# Altium PCB WhiteRHINO_0v1.PcbDoc (part 2 of 10) (continued)
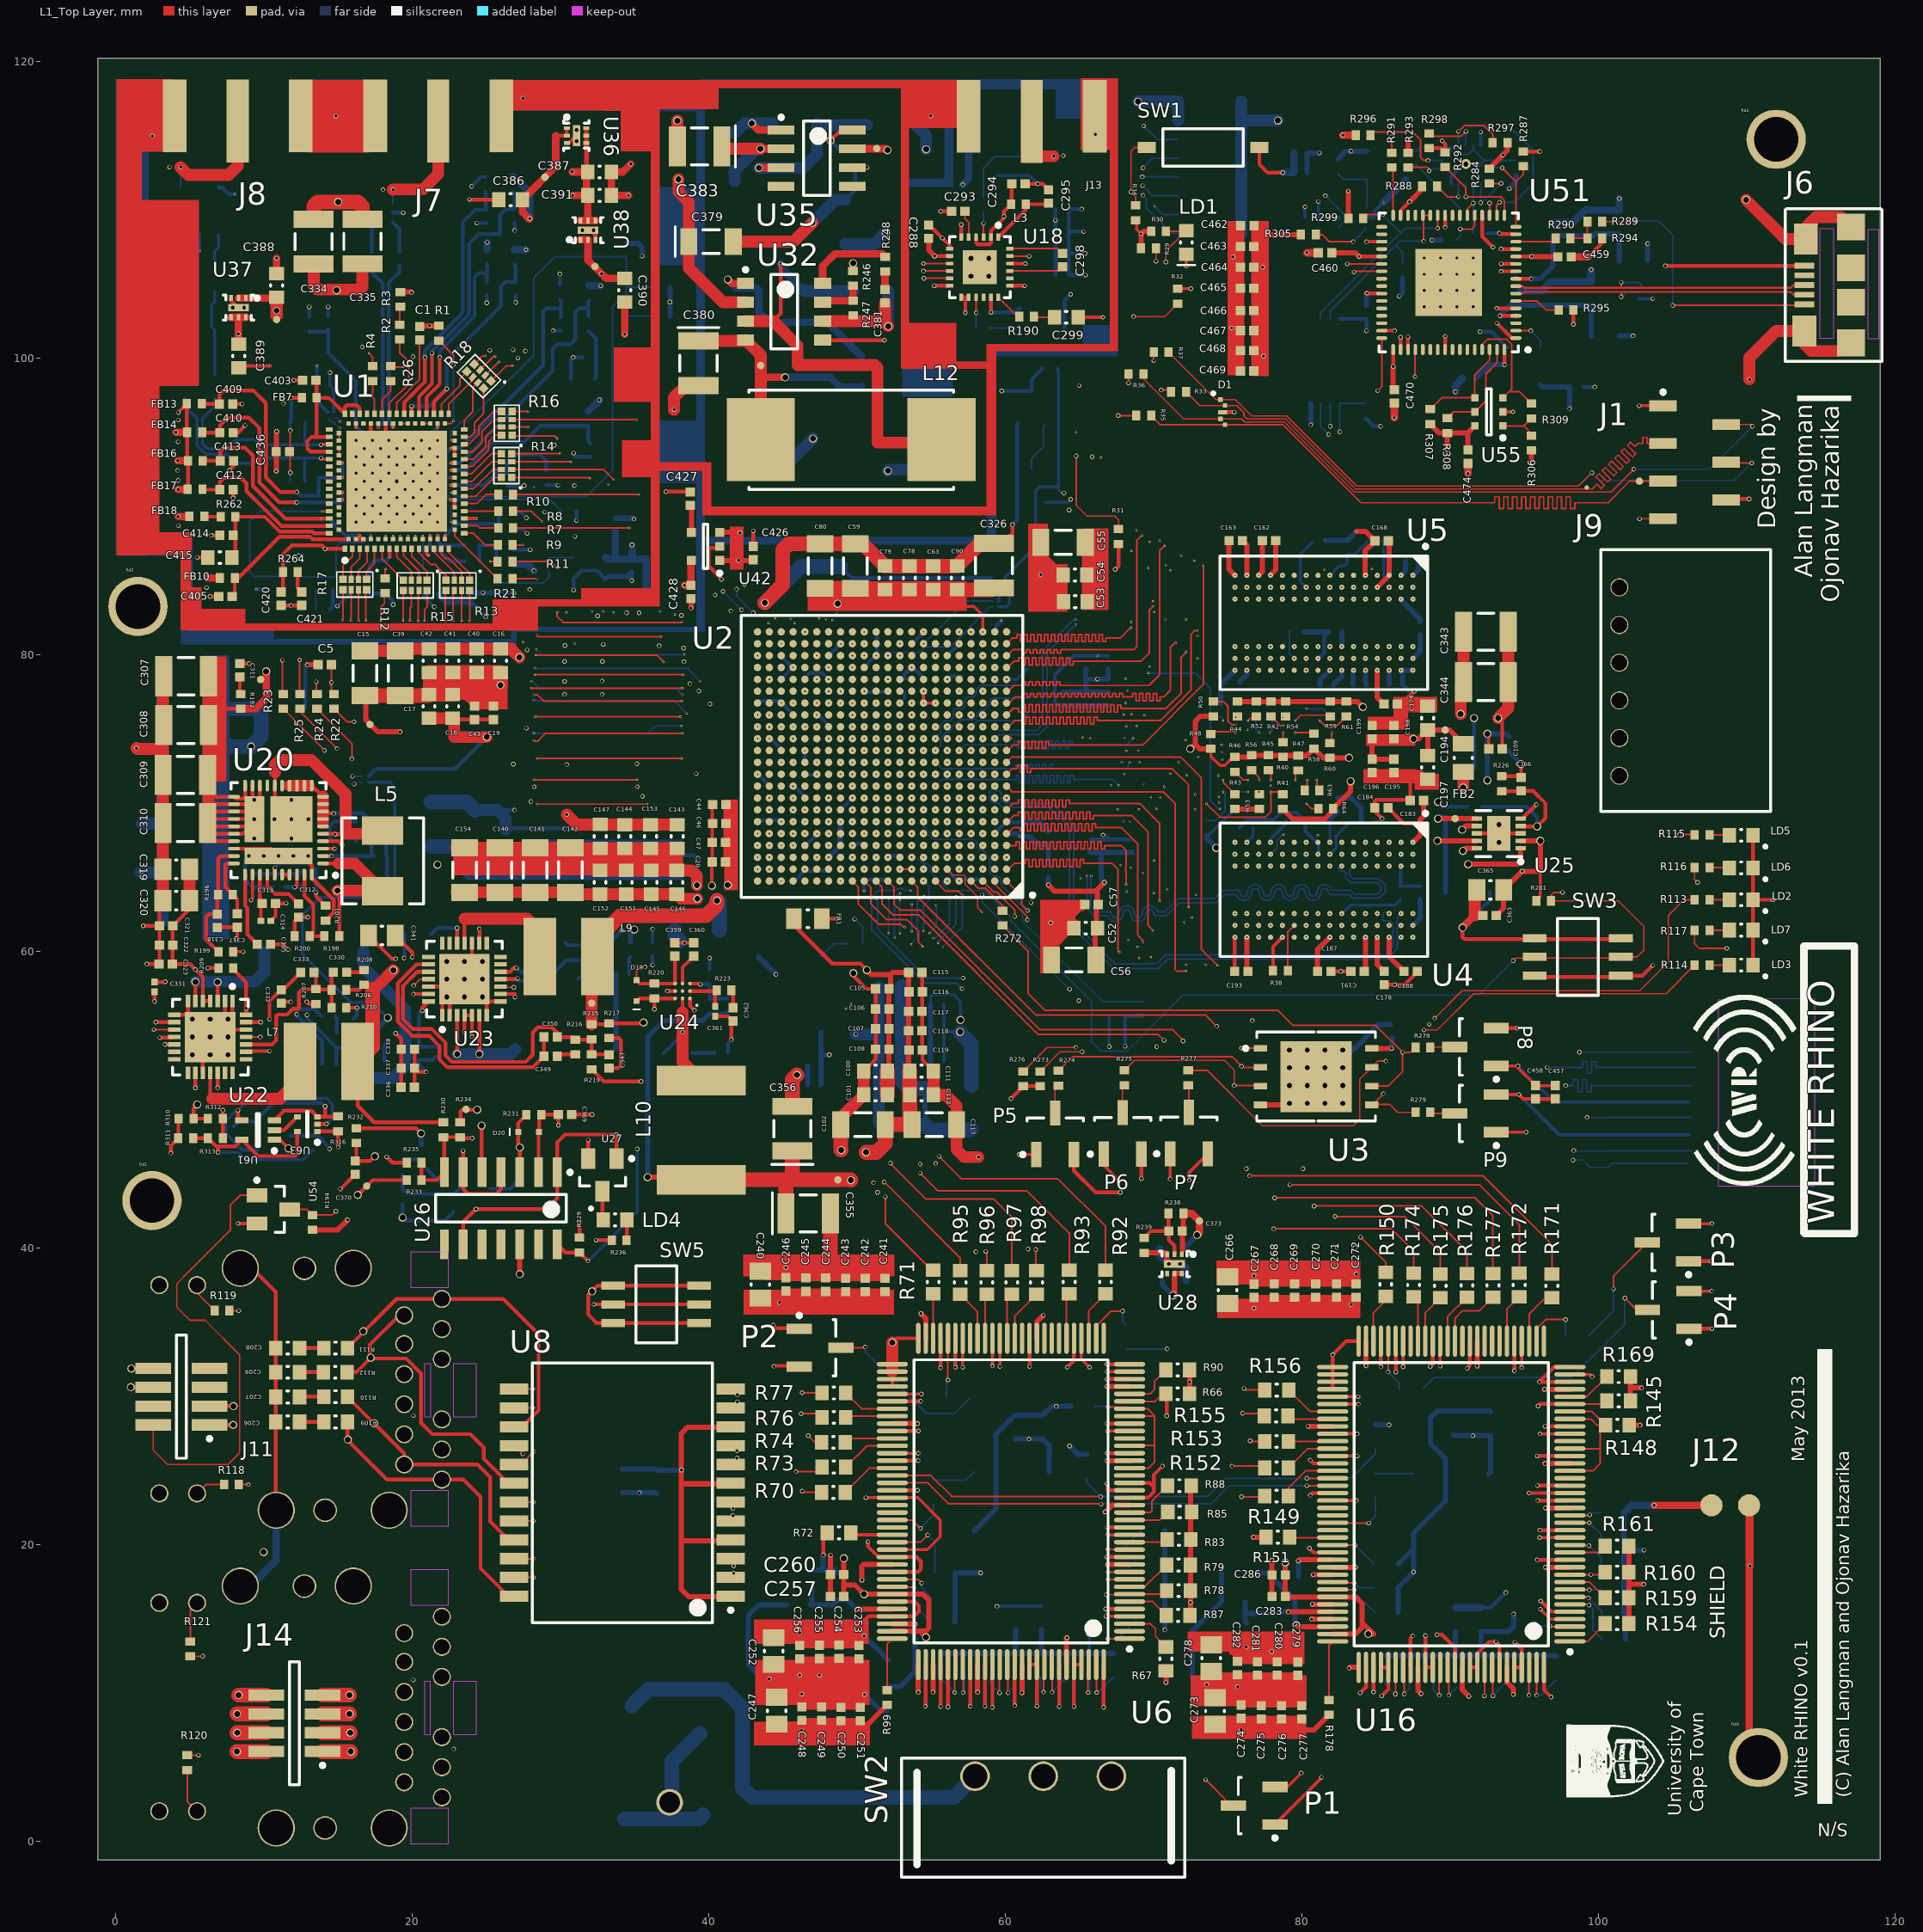
[diagram p0: L1_Top Layer view]
## Components (designator, comment, footprint, x,y, rotation, side; value= is the part's Value field where it differs from the comment) (continued)
U42 "LDO_TI_LP3985" LDO_TI_LP3985_SOT23-5 39.8,87.275 r180 top locked
U43 "LevelTranslator_TI_SN74AVC1T45" "LevelTranslator_TI_SN74AVC1T45 _SC70-6" 24.825,84.15 r0 bottom locked
U44 "TCXO_KYOCERA_KT2520Y40000ECV28TBA" TCXO_KYOCERA_KT2520Y40000ECV28TBA_PCB-6PIN 31.975,85.8 r180 bottom
U46 "RF_Trans_50Ohm_Minicircuits_TC1-1-13M" RF_Trans_50Ohm_Minicircuits_TC1-1-13M_AT224 5.675,109.9 r90 bottom
U48 "FXO-HC736R-33.3333" Oscillator_Fox_FXO-HC736R-33.3333_SMD 45.475,57.075 r0 bottom locked
U49 "Buffer_74LCX126" Buffer_Fairchild_74LCX126_DQFN-14 91.075,113.05 r180 bottom locked
U50 "FXO-HC536R-12" Oscillator_Fox_767-12-69_HC5 94.975,99.425 r90 bottom locked
U51 "COM-UART-FT4232H-QFN64" FTDI_FT4232HQ_QFN64_2_N 89.925,105.075 r180 top locked
U52 "Bus_Repeat_TI_PCA9515APWR" Bus_Repeat_TI_PCA9515APWR_8-TSSOP 81.6,99.775 r270 bottom locked
U53 "Buffer_NCWZ07" Buffer_Fairchild_NCWZ07_SC70-6 83.4,109.425 r180 bottom locked
U54 "NMOS_Fairchild_FDV301" NMOS_Fairchild_FDV301_SOT23-3 10.65,42.575 r0 top
U55 "EEPROM_Microchip_93LC56BT_IOT" EEPROM_Microchip_93LC56BT_IOT_SOT23-6 92.625,96.35 r180 top locked
U56 "Temp_Sensor_TI_TMP103" Temp_Sensor_TI_TMP103_XBGA-4 14.525,96.125 r180 bottom
U57 "Temp_Sensor_TI_TMP103" Temp_Sensor_TI_TMP103_XBGA-4 59.375,83.4 r90 bottom
U58 "Temp_Sensor_TI_TMP103" Temp_Sensor_TI_TMP103_XBGA-4 16.875,71.575 r90 bottom
U61 "AND_Gate_TI_SN74AUP1T08DCKR" AND_Gate_TI_SN74AUP1T08DCKR_SC70-5 9.625,47.925 r180 top locked
U62 "NMOS_Fairchild_FDV301" NMOS_Fairchild_FDV301_SOT23-3 10.7,47.55 r0 bottom locked
U63 "OR_Gate_TI_SN74AHC1G32DRLR" OR_Gate_TI_SN74AHC1G32DRLR_DRL-5 12.95,48.325 r180 top locked

## Footprints (in the part's own frame and the unit in brackets; to place one, negate y for a bottom-side part, rotate by r counter-clockwise, add the part's x,y. Pads: shape width x height; smd on the part's side, far side on the other; paste and mask are expansions set on the pad)
AND_Gate_TI_SN74AUP1T08DCKR_SC70-5 [mm]
  rect 0.9x0.4 smd: 1(-1.1,0.65) 2(-1.1,0) 3(-1.1,-0.65) 4(1.1,-0.65) 5(1.1,0.65)
  silkscreen extent -1.23,-1.1 0.1,1.52, body extent -0.7,-1.07 0.7,1.08, height 1.1
Balun_AnarenB0322J5050AHF_6-PIN_SMD [mm]
  rect 0.41x0.33 smd: 1(-0.495,0.65) 2(-0.495,0) 3(-0.495,-0.65) 4(0.495,-0.65) 5(0.495,0) 6(0.495,0.65)
  silkscreen extent -0.05,0.84 0.05,0.94, body extent -0.69,-1.07 0.69,1.07, height 0.78
BarrelJack_PJ-028-SMT [mm]
  rect 2.6x2.2 smd: 1(2.3,3.25) 2(-2.3,3.25) 3(-3.5,-3.25) 3(3.5,-3.25)
  round 1.8 hole 1.4: 3(-0.4,-2.25)
  silkscreen extent -0.28,-5.5 4.06,5.53, body extent -3,-5.5 3,5.5, height 4.3
Buffer_Fairchild_74LCX126_DQFN-14 [mm]
  rect 0.9x0.24 smd: 1(-1.55,0.25) 2(-1.55,-0.25) 8(1.55,-0.25) 9(1.55,0.25)
  rect 0.24x0.9 smd: 3(-1,-1.3) 4(-0.5,-1.3) 5(0,-1.3) 6(0.5,-1.3) 7(1,-1.3) 10(1,1.3) 11(0.5,1.3) 12(0,1.3) 13(-0.5,1.3) 14(-1,1.3)
  rect 1.4x1 smd: 7(0,0)
  silkscreen extent -2.68,-1.25 1.52,1.25, body extent -1.5,-1.25 1.5,1.25, height 0.8
Buffer_Fairchild_NC7SZ125_SOT95P280X145-5N [mm] "SOT23, 5-Leads, Body 3.0x3.0mm (max), Pitch 0.95mm, IPC Medium Density"
  rect 1x0.7 smd: 1(-1.3,0.95) 2(-1.3,0) 3(-1.3,-0.95) 4(1.3,-0.95) 5(1.3,0.95)
  silkscreen extent -1.43,-1.5 0.25,1.97, body extent -0.85,-1.5 0.85,1.5, height 1.45
Buffer_Fairchild_NCWZ07_SC70-6 [mm] "NC7WZ07, dual non-inverting buffer, SC-70-6 (SOT-363)"
  rect 0.5x0.4 smd: 1(-0.95,0.65) 2(-0.95,0) 3(-0.95,-0.65) 4(0.95,-0.65) 5(0.95,0) 6(0.95,0.65)
  silkscreen extent -1.08,-1.1 0.1,1.52, body extent -0.67,-1.1 0.67,1.1, height 1
Bus_Repeat_TI_PCA9515APWR_8-TSSOP [mm]
  rect 1.3x0.35 smd: 1(-2.85,0.975) 2(-2.85,0.325) 3(-2.85,-0.325) 4(-2.85,-0.975) 5(2.85,-0.975) 6(2.85,-0.325) 7(2.85,0.325) 8(2.85,0.975)
  silkscreen extent -2.97,-1.55 1.6,1.82, body extent -2.25,-1.55 2.25,1.55, height 1.2
CAPC0201(0603)33_N [mm] "Chip Capacitor, Body 0.6x0.3mm, Height 0.33mm, IPC Medium Density"
  rect 0.46x0.42 smd: 1(-0.33,0) 2(0.33,0)
  body extent -0.31,-0.16 0.32,0.17, height 0.33
CAPC0402(1005)60_N [mm] "Chip Capacitor, Body 1.0x0.5mm, Height 0.6mm, IPC Medium Density"
  rect 0.62x0.62 smd: 1(-0.45,0) 2(0.45,0)
  body extent -0.55,-0.3 0.55,0.3, height 0.6
CAPC0603(1608)100_N [mm] "Chip Capacitor, Body 1.6x0.8mm, Height 1.0mm, IPC Medium Density"
  rect 0.9x1 smd: 1(-0.8,0) 2(0.8,0)
  silkscreen extent -0.05,-0.4 0.05,0.4, body extent -0.87,-0.48 0.88,0.47, height 1
CAPC0805(2012)75_N [mm] "Chip Capacitor, Body 2.0x1.2mm, Height 0.75mm, IPC Medium Density"
  rect 1.15x1.45 smd: 1(-0.9,0) 2(0.9,0)
  silkscreen extent -0.05,-0.62 0.05,0.62, body extent -1.1,-0.72 1.1,0.73, height 0.75
CAPC1206(3216)100_N [mm] "Chip Capacitor, Body 3.2x1.6mm, Height 1mm, IPC Medium Density"
  rect 1.15x1.8 smd: 1(-1.5,0) 2(1.5,0)
  silkscreen extent -0.55,-0.8 0.55,0.8, body extent -1.7,-0.9 1.7,0.9, height 1
CAPC1210(3225)100_N [mm] "Chip Capacitor, Body 3.2x2.5mm, Height 1mm, IPC Medium Density"
  rect 1.15x2.7 smd: 1(-1.5,0) 2(1.5,0)
  silkscreen extent -0.55,-1.25 0.55,1.25, body extent -1.7,-1.35 1.7,1.35, height 1
Connector_SMA_Amphenol_132255_Edgemount [mm]
  rect 1.5x5.6 smd: C(0,-1.651)
  rect 1.6x4.9 smd far side: G(-4.259,-1.301) G(4.25,-1.301)
  rect 1.6x4.9 smd: G(-4.25,-1.301) G(4.25,-1.301)
  body extent -5.99,-4.62 6.22,2.7, height 3.96
ConnectorGPIO_Sullins_PPTC061LGBN-RC_6-pos [mm]
  round 1.22 hole 1.07: 1(-5.334,4.222) 2(-2.794,4.222) 3(-0.254,4.222) 4(2.286,4.222) 5(4.826,4.222) 6(7.366,4.222)
  silkscreen extent -7.75,-5.97 9.91,5.46, body extent -7.24,-5.72 9.4,5.08, height 6.09
DDR3_MICRON_MT41J128M16HA-15ED_FBGA96 [mm] "BGA, 144-Leads, Body 14.0x9.0mm,  Pitch 0.80mm"
  round 0.35 smd: A1(-3.2,6) A2(-2.4,6) A3(-1.6,6) A7(1.6,6) A8(2.4,6) A9(3.2,6) B1(-3.2,5.2) B2(-2.4,5.2) B3(-1.6,5.2) B7(1.6,5.2) B8(2.4,5.2) B9(3.2,5.2) C1(-3.2,4.4) C2(-2.4,4.4) C3(-1.6,4.4) C7(1.6,4.4) C8(2.4,4.4) C9(3.2,4.4) D1(-3.2,3.6) D2(-2.4,3.6) D3(-1.6,3.6) D7(1.6,3.6) D8(2.4,3.6) D9(3.2,3.6) E1(-3.2,2.8) E2(-2.4,2.8) E3(-1.6,2.8) E7(1.6,2.8) E8(2.4,2.8) E9(3.2,2.8) F1(-3.2,2) F2(-2.4,2) F3(-1.6,2) F7(1.6,2) F8(2.4,2) F9(3.2,2) G1(-3.2,1.2) G2(-2.4,1.2) G3(-1.6,1.2) G7(1.6,1.2) G8(2.4,1.2) G9(3.2,1.2) H1(-3.2,0.4) H2(-2.4,0.4) H3(-1.6,0.4) H7(1.6,0.4) H8(2.4,0.4) H9(3.2,0.4) J1(-3.2,-0.4) J2(-2.4,-0.4) J3(-1.6,-0.4) J7(1.6,-0.4) J8(2.4,-0.4) J9(3.2,-0.4) K1(-3.2,-1.2) K2(-2.4,-1.2) K3(-1.6,-1.2) K7(1.6,-1.2) K8(2.4,-1.2) K9(3.2,-1.2) L1(-3.2,-2) L2(-2.4,-2) L3(-1.6,-2) L7(1.6,-2) L8(2.4,-2) L9(3.2,-2) M1(-3.2,-2.8) M2(-2.4,-2.8) M3(-1.6,-2.8) M7(1.6,-2.8) M8(2.4,-2.8) M9(3.2,-2.8) N1(-3.2,-3.6) N2(-2.4,-3.6) N3(-1.6,-3.6) N7(1.6,-3.6) N8(2.4,-3.6) N9(3.2,-3.6) P1(-3.2,-4.4) P2(-2.4,-4.4) P3(-1.6,-4.4) P7(1.6,-4.4) P8(2.4,-4.4) P9(3.2,-4.4) R1(-3.2,-5.2) R2(-2.4,-5.2) R3(-1.6,-5.2) R7(1.6,-5.2) R8(2.4,-5.2) R9(3.2,-5.2) T1(-3.2,-6) T2(-2.4,-6) T3(-1.6,-6) T7(1.6,-6) T8(2.4,-6) T9(3.2,-6)
  silkscreen extent -5.27,-7 4.5,7, body extent -4.5,-7.01 4.5,6.99, height 0.9
Diode_DB2J31700L_2-PIN [mm]
  rect 1.3x0.6 smd: 1(-1,0)
  rect 1.3x0.45 smd: 2(1,0)
  silkscreen extent -2.03,-0.7 0.2,0.7, body extent -0.9,-0.67 0.9,0.67, height 0.8
DIP_Switch_SPST_CopalElectronics_CHS-01TB [mm]
  rect 1.2x0.75 smd: 1(-3.8,0) 2(3.8,0)
  silkscreen extent -2.7,-1.25 2.7,1.25, body extent -2.7,-1.25 2.7,1.25, height 2.5
EEPROM_Microchip_93LC56BT_IOT_SOT23-6 [mm] "93LC56BT-I/OT, EEPROM 2Kbit 3MHz, SOT23-6"
  rect 0.5x0.5 smd: 1(-0.95,0.95) 2(-0.95,0) 3(-0.95,-0.95) 4(0.95,-0.95) 5(0.95,0) 6(0.95,0.95)
  silkscreen extent -1.08,-1.55 0.15,1.87, body extent -0.87,-1.55 0.87,1.55, height 1.45
EthernetPHY_TI_DP83865(PQFP)_VLA128A_N [mm] "Shrink QFP, 128-Leads, Body 20x14 mm, Pitch 0.5mm, IPC Medium Density"
  oval 2.1x0.3 smd: 1(-8,9.25) 2(-8,8.75) 3(-8,8.25) 4(-8,7.75) 5(-8,7.25) 6(-8,6.75) 7(-8,6.25) 8(-8,5.75) 9(-8,5.25) 10(-8,4.75) 11(-8,4.25) 12(-8,3.75) 13(-8,3.25) 14(-8,2.75) 15(-8,2.25) 16(-8,1.75) 17(-8,1.25) 18(-8,0.75) 19(-8,0.25) 20(-8,-0.25) 21(-8,-0.75) 22(-8,-1.25) 23(-8,-1.75) 24(-8,-2.25) 25(-8,-2.75) 26(-8,-3.25) 27(-8,-3.75) 28(-8,-4.25) 29(-8,-4.75) 30(-8,-5.25) 31(-8,-5.75) 32(-8,-6.25) 33(-8,-6.75) 34(-8,-7.25) 35(-8,-7.75) 36(-8,-8.25) 37(-8,-8.75) 38(-8,-9.25) 65(8,-9.25) 66(8,-8.75) 67(8,-8.25) 68(8,-7.75) 69(8,-7.25) 70(8,-6.75) 71(8,-6.25) 72(8,-5.75) 73(8,-5.25) 74(8,-4.75) 75(8,-4.25) 76(8,-3.75) 77(8,-3.25) 78(8,-2.75) 79(8,-2.25) 80(8,-1.75) 81(8,-1.25) 82(8,-0.75) 83(8,-0.25) 84(8,0.25) 85(8,0.75) 86(8,1.25) 87(8,1.75) 88(8,2.25) 89(8,2.75) 90(8,3.25) 91(8,3.75) 92(8,4.25) 93(8,4.75) 94(8,5.25) 95(8,5.75) 96(8,6.25) 97(8,6.75) 98(8,7.25) 99(8,7.75) 100(8,8.25) 101(8,8.75) 102(8,9.25)
  oval 0.3x2.1 smd: 39(-6.25,-11) 40(-5.75,-11) 41(-5.25,-11) 42(-4.75,-11) 43(-4.25,-11) 44(-3.75,-11) 45(-3.25,-11) 46(-2.75,-11) 47(-2.25,-11) 48(-1.75,-11) 49(-1.25,-11) 50(-0.75,-11) 51(-0.25,-11) 52(0.25,-11) 53(0.75,-11) 54(1.25,-11) 55(1.75,-11) 56(2.25,-11) 57(2.75,-11) 58(3.25,-11) 59(3.75,-11) 60(4.25,-11) 61(4.75,-11) 62(5.25,-11) 63(5.75,-11) 64(6.25,-11) 103(6.25,11) 104(5.75,11) 105(5.25,11) 106(4.75,11) 107(4.25,11) 108(3.75,11) 109(3.25,11) 110(2.75,11) 111(2.25,11) 112(1.75,11) 113(1.25,11) 114(0.75,11) 115(0.25,11) 116(-0.25,11) 117(-0.75,11) 118(-1.25,11) 119(-1.75,11) 120(-2.25,11) 121(-2.75,11) 122(-3.25,11) 123(-3.75,11) 124(-4.25,11) 125(-4.75,11) 126(-5.25,11) 127(-5.75,11) 128(-6.25,11)
  silkscreen extent -8.13,-9.55 6.55,10.07, body extent -7,-10 7,10, height 3.26
FTDI_FT4232HQ_QFN64_2_N [mm] "QFN, 64-Leads, Body 9x9mm, Pitch 0.5mm, Thermal Pad 4.5x4.5mm, IPC Medium Density"
  oval 0.75x0.25 smd: 1(-4.525,3.75) 2(-4.525,3.25) 3(-4.525,2.75) 4(-4.525,2.25) 5(-4.525,1.75) 6(-4.525,1.25) 7(-4.525,0.75) 8(-4.525,0.25) 9(-4.525,-0.25) 10(-4.525,-0.75) 11(-4.525,-1.25) 12(-4.525,-1.75) 13(-4.525,-2.25) 14(-4.525,-2.75) 15(-4.525,-3.25) 16(-4.525,-3.75) 33(4.525,-3.75) 34(4.525,-3.25) 35(4.525,-2.75) 36(4.525,-2.25) 37(4.525,-1.75) 38(4.525,-1.25) 39(4.525,-0.75) 40(4.525,-0.25) 41(4.525,0.25) 42(4.525,0.75) 43(4.525,1.25) 44(4.525,1.75) 45(4.525,2.25) 46(4.525,2.75) 47(4.525,3.25) 48(4.525,3.75)
  oval 0.25x0.75 smd: 17(-3.75,-4.525) 18(-3.25,-4.525) 19(-2.75,-4.525) 20(-2.25,-4.525) 21(-1.75,-4.525) 22(-1.25,-4.525) 23(-0.75,-4.525) 24(-0.25,-4.525) 25(0.25,-4.525) 26(0.75,-4.525) 27(1.25,-4.525) 28(1.75,-4.525) 29(2.25,-4.525) 30(2.75,-4.525) 31(3.25,-4.525) 32(3.75,-4.525) 49(3.75,4.525) 50(3.25,4.525) 51(2.75,4.525) 52(2.25,4.525) 53(1.75,4.525) 54(1.25,4.525) 55(0.75,4.525) 56(0.25,4.525) 57(-0.25,4.525) 58(-0.75,4.525) 59(-1.25,4.525) 60(-1.75,4.525) 61(-2.25,4.525) 62(-2.75,4.525) 63(-3.25,4.525) 64(-3.75,4.525)
  rect 4.5x4.5 smd: 65(0,0)
  silkscreen extent -5.47,-4.69 4.69,4.69, body extent -4.54,-4.54 4.54,4.54, height 1
GigabitTransformer_H6062NLT_SOP-24 [mm]
  rect 1.91x0.76 smd: 1(-7.3,6.985) 2(-7.3,5.715) 3(-7.3,4.445) 4(-7.3,3.175) 5(-7.3,1.905) 6(-7.3,0.635) 7(-7.3,-0.635) 8(-7.3,-1.905) 9(-7.3,-3.175) 10(-7.3,-4.445) 11(-7.3,-5.715) 12(-7.3,-6.985) 13(7.3,-6.985) 14(7.3,-5.715) 15(7.3,-4.445) 16(7.3,-3.175) 17(7.3,-1.905) 18(7.3,-0.635) 19(7.3,0.635) 20(7.3,1.905) 21(7.3,3.175) 22(7.3,4.445) 23(7.3,5.715) 24(7.3,6.985)
  silkscreen extent -7.43,-8.75 6.08,8.75, body extent -6.1,-8.76 6.1,8.77, height 5.51
GPSReceiver_Skyworks_SE4110L_24QFN [mm]
  rect 0.5x0.25 smd: 1(-2.025,1.25) 2(-2.025,0.75) 3(-2.025,0.25) 4(-2.025,-0.25) 5(-2.025,-0.75) 6(-2.025,-1.25) 13(2.025,-1.25) 14(2.025,-0.75) 15(2.025,-0.25) 16(2.025,0.25) 17(2.025,0.75) 18(2.025,1.25)
  rect 0.25x0.5 smd: 7(-1.25,-2.025) 8(-0.75,-2.025) 9(-0.25,-2.025) 10(0.25,-2.025) 11(0.75,-2.025) 12(1.25,-2.025) 19(1.25,2.025) 20(0.75,2.025) 21(0.25,2.025) 22(-0.25,2.025) 23(-0.75,2.025) 24(-1.25,2.025)
  rect 2.3x2.3 smd: 25(0,0)
  silkscreen extent -2.95,-2.05 2.05,2.05, body extent -2.05,-2.05 2.05,2.05, height 1
Header_3-Pos_Sullins_GRPB031VWTC-RC [mm]
  rect 1.7x0.71 smd: 1(-1.4,1.27) 2(1.4,0) 3(-1.4,-1.27)
  silkscreen extent -1.53,-1.9 1.07,2.3, body extent -1.07,-1.91 1.07,1.91, height 5.1
Header_FCI_20021221-00008T4LF_8-pos [mm]
  rect 2.4x0.76 smd: 1(-1.9,1.905) 2(1.9,1.905) 3(-1.9,0.635) 4(1.9,0.635) 5(-1.9,-0.635) 6(1.9,-0.635) 7(-1.9,-1.905) 8(1.9,-1.905)
  silkscreen extent -2.02,-4.15 0.33,4.15, body extent -2.65,-4.13 2.65,4.13, height 5.6
Header_Harwin_M50-3600842_16-pos [mm]
  rect 2.2x0.74 smd: 1(-2.125,4.445) 2(-2.125,3.175) 3(-2.125,1.905) 4(-2.125,0.635) 5(-2.125,-0.635) 6(-2.125,-1.905) 7(-2.125,-3.175) 8(-2.125,-4.445) 9(2.125,-4.445) 10(2.125,-3.175) 11(2.125,-1.905) 12(2.125,-0.635) 13(2.125,0.635) 14(2.125,1.905) 15(2.125,3.175) 16(2.125,4.445)
  silkscreen extent -2.25,-5.1 0.15,5.49, body extent -1.78,-5.08 1.78,5.08, height 5.13
Header_Mil-Max_800-10-002-40-002000_2-Pos [mm]
  round 1.5 smd: 1(0,0) 2(2.54,0)
  body extent -1.27,-1.91 3.81,1.91, height 10.08
Inductor0402(1005) [mm] "Chip Resistor, Body 1.0x0.5mm, IPC Medium Density"
  rect 0.55x0.65 smd: 1(-0.5,0) 2(0.5,0)
  body extent -0.52,-0.27 0.53,0.28, height 0.4
Inductor0603(1608) [mm] "Chip Resistor, Body 1.6x0.8mm, IPC Medium Density"
  rect 0.9x1 smd: 1(-0.8,0) 2(0.8,0)
  silkscreen extent -0.05,-0.4 0.05,0.4, body extent -0.85,-0.47 0.85,0.47, height 0.6
Inductor0805(2012) [mm] "Chip Resistor, Body 2.0x1.3mm, IPC Medium Density"
  rect 1.05x1.4 smd: 1(-0.95,0) 2(0.95,0)
  silkscreen extent -0.05,-0.6 0.05,0.6, body extent -1.1,-0.67 1.1,0.68, height 0.7
Inductor_IHLP2020CZER1R5M01_2-PIN [mm]
  rect 1.92x2.79 smd: 1(-2.05,0) 2(2.05,0)
  silkscreen extent -2.9,-2.75 2.9,2.75, body extent -2.87,-2.71 2.87,2.72, height 4.5
Inductor_IHSM4825ER_2-PIN [mm]
  rect 4.6x5.6 smd: 1(-6.1,0) 2(6.1,0)
  silkscreen extent -6.9,-3.35 6.9,3.35, body extent -6.86,-3.32 6.86,3.32, height 5.72
Inductor_NRS5020T1R0NMGJ_2-PIN [mm]
  rect 2.2x5.2 smd: 1(-1.95,0) 2(1.95,0)
  body extent -2.55,-2.55 2.55,2.55, height 2
Inductor_SRN6045-Series_2-PIN [mm]
  rect 2x6 smd: 1(-3.35,0) 2(3.35,0)
  body extent -3.08,-3.09 3.1,3.09, height 4.5
JTAG_Header_Sullins_GRPB071VWTC-RC_7-Pos [mm]
  rect 1.85x0.74 smd: 1(-2.125,3.81) 2(2.125,2.54) 3(-2.125,1.27) 4(2.125,0) 5(-2.125,-1.27) 6(2.125,-2.54) 7(-2.125,-3.81)
  silkscreen extent -2.25,4.61 -2,4.85, body extent -1.07,-4.44 1.07,4.44, height 5
LDO_Micrel_MIC94325YMTTR_TDFN-6 [mm] "IC REG LDO ADJ .5A 6TDFN"
  rect 0.25x0.4 smd: 1(-0.5,-0.65) 2(0,-0.65) 3(0.5,-0.65) 4(0.5,0.65) 5(0,0.65) 6(-0.5,0.65)
  rect 1.4x0.5 smd: 3(0,0)
  silkscreen extent -1.38,-0.85 1.02,0.85, body extent -0.82,-0.65 0.83,0.65, height 0.6
LDO_TI_LP3985_SOT23-5 [mm] "LDO_TI_LP3985,150mA,CMOS"
  rect 0.6x0.6 smd: 1(-0.95,0.95) 2(-0.95,0) 3(-0.95,-0.95) 4(0.95,-0.95) 5(0.95,0.95)
  silkscreen extent -1.08,-1.5 0.15,1.92, body extent -0.87,-1.52 0.87,1.53, height 1.45
LED0603(1608) [mm] "Chip Resistor, Body 1.6x0.8mm, IPC Medium Density"
  rect 0.9x1 smd: 1(-0.8,0) 2(0.8,0)
  silkscreen extent -1.52,-0.6 0.05,0.6, body extent -0.85,-0.47 0.85,0.47, height 0.6
LED0603(1608)_HSMG-C190 [mm] "Chip Resistor, Body 1.6x0.8mm, IPC Medium Density"
  rect 0.9x1 smd: 1(-0.8,0) 2(0.8,0)
  silkscreen extent -1.72,-0.4 0.05,0.86, body extent -0.85,-0.47 0.85,0.47, height 0.6
"LevelTranslator_TI_SN74AVC1T45 _SC70-6" [mm] "Level Translator, IC BUS TRANSCVR TRI-ST SC70-6"
  rect 0.85x0.35 smd: 1(-1.1,0.65) 2(-1.1,0) 3(-1.1,-0.65) 4(1.1,-0.65) 5(1.1,0) 6(1.1,0.65)
  silkscreen extent -1.22,-1.1 0.1,1.5, body extent -0.7,-1.07 0.7,1.08, height 1.1
LT1376CS8#PBF_8SOIC [mm]
  rect 1.15x0.76 smd: 1(-2.6,1.905) 2(-2.6,0.635) 3(-2.6,-0.635) 4(-2.6,-1.905) 5(2.6,-1.905) 6(2.6,-0.635) 7(2.6,0.635) 8(2.6,1.905)
  silkscreen extent -2.72,-2.5 0.9,2.96, body extent -1.99,-2.5 1.99,2.5, height 1.75
MAX_MAX1510ETB_10TDFN_T1033+1 [mm] "MAX1510ETB, Low-Voltage, DDR Linear Regulators, DFN10"
  rect 0.3x0.7 smd: 1(-1,-1.475) 2(-0.5,-1.475) 3(0,-1.475) 4(0.5,-1.475) 5(1,-1.475) 6(1,1.475) 7(0.5,1.475) 8(0,1.475) 9(-0.5,1.475) 10(-1,1.475)
  rect 2.35x1.58 smd: 11(0,0)
  silkscreen extent -2.02,-1.6 1.55,1.55, body extent -1.55,-1.55 1.55,1.55, height 0.8
MAX_MAX8686_T4066M+1_N [mm] "QFN, 40-Leads, Body 6x6mm, Pitch 0.5mm, Three Thermal Pads, IPC Medium Density"
  oval 0.8x0.25 smd: 1(-3,2.25) 2(-3,1.75) 3(-3,1.25) 4(-3,0.75) 5(-3,0.25) 6(-3,-0.25) 7(-3,-0.75) 8(-3,-1.25) 9(-3,-1.75) 10(-3,-2.25) 21(3,-2.25) 22(3,-1.75) 23(3,-1.25) 24(3,-0.75) 25(3,-0.25) 26(3,0.25) 27(3,0.75) 28(3,1.25) 29(3,1.75) 30(3,2.25)
  oval 0.25x0.8 smd: 11(-2.25,-3) 12(-1.75,-3) 13(-1.25,-3) 14(-0.75,-3) 15(-0.25,-3) 16(0.25,-3) 17(0.75,-3) 18(1.25,-3) 19(1.75,-3) 20(2.25,-3) 31(2.25,3) 32(1.75,3) 33(1.25,3) 34(0.75,3) 35(0.25,3) 36(-0.25,3) 37(-0.75,3) 38(-1.25,3) 39(-1.75,3) 40(-2.25,3)
  rect 4.59x1.11 smd: 41(0,1.74)
  rect 1.34x3.12 smd: 42(1.625,-0.735)
  rect 2.84x3.12 smd: 43(-0.875,-0.735)
  silkscreen extent -3.98,-3.2 3.2,3.2, body extent -3.05,-3.05 3.05,3.05, height 0.8
MAX_MAX15021ATI_28TQFN_T2855-6 [mm] "MAX15021ATI, 4A/2A, 4MHz, Step-Down DC-DC Regulator, TQFN28"
  rect 0.85x0.3 smd: 1(-2.425,1.5) 2(-2.425,1) 3(-2.425,0.5) 4(-2.425,0) 5(-2.425,-0.5) 6(-2.425,-1) 7(-2.425,-1.5) 15(2.425,-1.5) 16(2.425,-1) 17(2.425,-0.5) 18(2.425,0) 19(2.425,0.5) 20(2.425,1) 21(2.425,1.5)
  rect 0.3x0.85 smd: 8(-1.5,-2.425) 9(-1,-2.425) 10(-0.5,-2.425) 11(0,-2.425) 12(0.5,-2.425) 13(1,-2.425) 14(1.5,-2.425) 22(1.5,2.425) 23(1,2.425) 24(0.5,2.425) 25(0,2.425) 26(-0.5,2.425) 27(-1,2.425) 28(-1.5,2.425)
  rect 3.4x3.4 smd: 29(0,0)
  silkscreen extent -3.52,-2.55 2.55,2.55, body extent -2.55,-2.55 2.55,2.55, height 0.8
MAX_MAX15053EWL_9WLP_W91E1Z+1 [mm] "MAX15053EWL, 2A, Current-Mode Synchronous, Step-Down reg, WLP9"
  round 0.25 smd: A1(-0.5,0.5) A2(0,0.5) A3(0.5,0.5) B1(-0.5,0) B2(0,0) B3(0.5,0) C1(-0.5,-0.5) C2(0,-0.5) C3(0.5,-0.5)
  silkscreen extent -1.01,0.91 -0.91,1.01, body extent -0.75,-0.75 0.75,0.75, height 0.69
MicroUSB_ConnReceptacle_Hirose_ZX62-B-5PA(11)_pcb [mm]
  rect 0.4x1.35 smd: 1(-1,8.1) 2(-0.35,8.1) 3(0.3,8.1) 4(0.95,8.1) 5(1.6,8.1)
  rect 2.1x1.6 smd: S1(-2.8,8.1) S2(3.4,8)
  rect 1.8x1.9 smd: S3(-3.6,4.95) S4(4.2,4.95) ""(-0.85,4.95) ""(1.45,4.95)
  Keep-Out Layer region: 4.1,6.15 -3.3,6.15 -3.3,7.05 4.1,7.05
  Keep-Out Layer region: 4.05,3.1 -3.35,3.1 -3.35,3.8 4.05,3.8
  silkscreen extent -4.85,2.85 5.45,9.4, body extent -3.7,3.05 4.3,8.7, height 2.8
MountingHole_PCB [mm]
  round 4 hole 3: 1(0,0)
NMOS_Fairchild_FDV301_SOT23-3 [mm]
  rect 1.4x0.95 smd: D(1.1,0) G(-1.1,0.95) S(-1.1,-0.95)
  silkscreen extent -1.22,-1.55 0.75,2.1, body extent -0.75,-1.56 0.75,1.56, height 1.2
OR_Gate_TI_SN74AHC1G32DRLR_DRL-5 [mm]
  rect 0.45x0.35 smd: 1(-0.675,0.5) 2(-0.675,0) 3(-0.675,-0.5) 4(0.675,-0.5) 5(0.675,0.5)
  silkscreen extent -0.8,-0.85 0.05,1.35, body extent -0.65,-0.85 0.65,0.85, height 0.6
Oscillator_Fox_767-12-69_HC5 [mm]
  rect 1.24x1.29 smd: 1(-1.27,-1.125) 2(1.27,-1.125) 3(1.27,1.125) 4(-1.27,1.125)
  silkscreen extent -2.6,-1.7 2.6,1.7, body extent -2.57,-1.68 2.58,1.67, height 1.4
Oscillator_Fox_FXO-HC736R-33.3333_SMD [mm]
  rect 2x1.8 smd: 1(-2.1,2.54) 2(-2.1,-2.54) 3(2.1,-2.54) 4(2.1,2.54)
  silkscreen extent -2.22,-3.75 0.42,4.11, body extent -2.6,-3.75 2.6,3.75, height 1.4
Oscillator_Vectron_VCC1-B2B-25M000_SMD [mm]
  rect 1.8x2 smd: 1(-2.54,-2) 2(2.54,-2) 3(2.54,2) 4(-2.54,2)
  silkscreen extent -4.22,-2.6 3.8,2.6, body extent -3.6,-2.6 3.6,2.6, height 1.9
Polarized_CAPC1206(3216) [mm] "Chip Capacitor, Body 3.2x1.6mm, Height 1mm, IPC Medium Density"
  rect 1.15x1.8 smd: 1(-1.5,0) 2(1.5,0)
  silkscreen extent -2.41,-1.02 0.55,1.02, body extent -1.7,-0.9 1.7,0.9, height 1
Polarized_CAPC1210(3225) [mm] "Chip Capacitor, Body 3.2x2.5mm, Height 1mm, IPC Medium Density"
  rect 1.15x2.7 smd: 1(-1.5,0) 2(1.5,0)
  silkscreen extent -2.41,-1.4 0.55,1.4, body extent -1.7,-1.35 1.7,1.35, height 1
PushButtonSwitch_CnK_1.14002.1110000 [mm]
  rect 1.6x0.55 smd: 3(-2.9,0) 3(2.9,0) 4(-2.9,-1.27) 4(-2.9,1.27) 4(2.9,-1.27) 4(2.9,1.27)
  silkscreen extent -1.38,-2.6 1.38,2.6, body extent -3.25,-2.6 3.25,2.6, height 3.95
QuadComp_Fairchild_LM339MX-NOPB_14SOIC [mm]
  rect 2x0.6 smd: 1(-2.425,3.81) 2(-2.425,2.54) 3(-2.425,1.27) 4(-2.425,0) 5(-2.425,-1.27) 6(-2.425,-2.54) 7(-2.425,-3.81) 8(2.425,-3.81) 9(2.425,-2.54) 10(2.425,-1.27) 11(2.425,0) 12(2.425,1.27) 13(2.425,2.54) 14(2.425,3.81)
  silkscreen extent -2.55,-4.4 0.93,4.79, body extent -2,-4.38 2,4.38, height 1.75
QuadESDDiode_TEConnectivity_SESD0802Q4UG_5-PIN [mm]
  rect 0.3x0.3 smd: 1(0.85,0.15) 2(-0.45,0.15) 3(-0.85,-0.15) 4(0.45,-0.15)
  rect 0.3x0.6 smd: G(0,0)
  silkscreen extent 1.17,0.54 1.37,0.73, body extent -1.05,-0.35 1.05,0.35, height 0.43
Regulator_LT_LT1507CS8-3.3#PBF_8SOIC [mm]
  rect 1.8x0.6 smd: 1(-2.4,1.905) 2(-2.4,0.635) 3(-2.4,-0.635) 4(-2.4,-1.905) 5(2.4,-1.905) 6(2.4,-0.635) 7(2.4,0.635) 8(2.4,1.905)
  silkscreen extent -2.52,-2.5 0.9,2.88, body extent -1.99,-2.5 1.99,2.5, height 1.75
RES_4-ARRAY_YC124-JR-0722RL [mm]
  rect 0.5x0.5 smd: 1(-0.35,0.8) 4(-0.35,-0.8) 5(0.35,-0.8) 8(0.35,0.8)
  rect 0.5x0.35 smd: 2(-0.35,0.25) 3(-0.35,-0.25) 6(0.35,-0.25) 7(0.35,0.25)
  silkscreen extent -1.01,-1.22 0.85,1.56, body extent -0.48,-1.05 0.48,1.05, height 0.55
RESC0402(1005)_N [mm] "Chip Resistor, Body 1.0x0.5mm, IPC Medium Density"
  rect 0.55x0.65 smd: 1(-0.5,0) 2(0.5,0)
  body extent -0.52,-0.27 0.53,0.28, height 0.4
RESC0603(1608)_N [mm] "Chip Resistor, Body 1.6x0.8mm, IPC Medium Density"
  rect 0.9x1 smd: 1(-0.8,0) 2(0.8,0)
  silkscreen extent -0.05,-0.4 0.05,0.4, body extent -0.85,-0.47 0.85,0.47, height 0.6
RESC0805(2012)_N [mm] "Chip Resistor, Body 2.0x1.3mm, IPC Medium Density"
  rect 1.05x1.4 smd: 1(-0.95,0) 2(0.95,0)
  silkscreen extent -0.05,-0.6 0.05,0.6, body extent -1.1,-0.67 1.1,0.68, height 0.7
RF_Trans_50Ohm_Minicircuits_TC1-1-13M_AT224 [mm]
  rect 1.65x0.76 smd: 1(-1.59,1.27) 2(-1.59,0) 3(-1.59,-1.27) 4(1.59,-1.27) 5(1.59,0) 6(1.59,1.27)
  silkscreen extent -1.71,-1.9 0.38,2.33, body extent -1.91,-1.91 1.91,1.91, height 3.81
RF_Transceiver_LimeMicro_LMS6002D_DQFN-116 [mm]
  rect 0.45x0.3 smd: 1(-4.55,3.5) 2(-4.55,3) 3(-4.55,2.5) 4(-4.55,2) 5(-4.55,1.5) 6(-4.55,1) 7(-4.55,0.5) 8(-4.55,0) 9(-4.55,-0.5) 10(-4.55,-1) 11(-4.55,-1.5) 12(-4.55,-2) 13(-4.55,-2.5) 14(-4.55,-3) 15(-4.55,-3.5) 31(4.55,-3.5) 32(4.55,-3) 33(4.55,-2.5) 34(4.55,-2) 35(4.55,-1.5) 36(4.55,-1) 37(4.55,-0.5) 38(4.55,0) 39(4.55,0.5) 40(4.55,1) 41(4.55,1.5) 42(4.55,2) 43(4.55,2.5) 44(4.55,3) 45(4.55,3.5)
  rect 0.3x0.45 smd: 16(-3.5,-4.55) 17(-3,-4.55) 18(-2.5,-4.55) 19(-2,-4.55) 20(-1.5,-4.55) 21(-1,-4.55) 22(-0.5,-4.55) 23(0,-4.55) 24(0.5,-4.55) 25(1,-4.55) 26(1.5,-4.55) 27(2,-4.55) 28(2.5,-4.55) 29(3,-4.55) 30(3.5,-4.55) 46(3.5,4.55) 47(3,4.55) 48(2.5,4.55) 49(2,4.55) 50(1.5,4.55) 51(1,4.55) 52(0.5,4.55) 53(0,4.55) 54(-0.5,4.55) 55(-1,4.55) 56(-1.5,4.55) 57(-2,4.55) 58(-2.5,4.55) 59(-3,4.55) 60(-3.5,4.55)
  rect 0.3x0.3 smd: 61(-3.9,3.25) 62(-3.9,2.75) 63(-3.9,2.25) 64(-3.9,1.75) 65(-3.9,1.25) 66(-3.9,0.75) 67(-3.9,0.25) 68(-3.9,-0.25) 69(-3.9,-0.75) 70(-3.9,-1.25) 71(-3.9,-1.75) 72(-3.9,-2.25) 73(-3.9,-2.75) 74(-3.9,-3.25) 75(-3.25,-3.9) 76(-2.75,-3.9) 77(-2.25,-3.9) 78(-1.75,-3.9) 79(-1.25,-3.9) 80(-0.75,-3.9) 81(-0.25,-3.9) 82(0.25,-3.9) 83(0.75,-3.9) 84(1.25,-3.9) 85(1.75,-3.9) 86(2.25,-3.9) 87(2.75,-3.9) 88(3.25,-3.9) 89(3.9,-3.25) 90(3.9,-2.75) 91(3.9,-2.25) 92(3.9,-1.75) 93(3.9,-1.25) 94(3.9,-0.75) 95(3.9,-0.25) 96(3.9,0.25) 97(3.9,0.75) 98(3.9,1.25) 99(3.9,1.75) 100(3.9,2.25) 101(3.9,2.75) 102(3.9,3.25) 103(3.25,3.9) 104(2.75,3.9) 105(2.25,3.9) 106(1.75,3.9) 107(1.25,3.9) 108(0.75,3.9) 109(0.25,3.9) 110(-0.25,3.9) 111(-0.75,3.9) 112(-1.25,3.9) 113(-1.75,3.9) 114(-2.25,3.9) 115(-2.75,3.9) 116(-3.25,3.9)
  rect 6.8x6.8 smd: 117(0,0)
  silkscreen extent -5.45,3.37 -5.2,3.62, body extent -4.5,-4.5 4.5,4.5, height 0.85
RJ-45_BelFuse_L834-1G1T-S7_pcb [mm]
  round 1.22 hole 1.02: 1(4.979,6.73) 2(3.049,6.73) 3(1.019,6.73) 4(-1.011,6.73) 5(-3.041,6.73) 6(-5.071,6.73) 7(6.09,9.27) 8(4.06,9.27) 9(2.03,9.27) 10(-2.03,9.27) 11(-4.06,9.27) 12(-6.09,9.27) 13(7.025,-7.24) 14(7.025,-9.78) 15(-7.025,-7.24) 16(-7.025,-9.78)
  round 2.51 hole 2.31: M1(-8.155,-1.9) M2(8.155,-4.32) ""(-8.155,5.72) ""(8.155,3.3)
  round 1.6 hole 1.4: ""(-8.155,1.4) ""(8.155,0)
  Keep-Out Layer region: -9.216,9.711 -6.831,9.711 -6.831,7.171 -9.216,7.171
  Keep-Out Layer region: -1.85,8.517 1.714,8.517 1.714,8.094 -1.85,8.094
  Keep-Out Layer region: -1.85,11.604 1.704,11.604 1.704,10.038 -1.85,10.038
  Keep-Out Layer region: 6.876,9.711 9.261,9.711 9.261,7.171 6.876,7.171
  silkscreen extent -9.87,-15.51 9.96,11.94, body extent -8.41,-15.23 8.39,10.83, height 11.38
SchottkyDiode_MBR130T1G_SOD-123 [mm]
  rect 0.91x1.22 smd: 1(-1.635,0) 2(1.635,0)
  silkscreen extent -2.45,-0.8 -2.45,0.8, body extent -1.42,-0.9 1.42,0.9, height 1.35
SchottkyDiode_MBR0520-TP_SOD-123 [mm]
  rect 0.9x1.2 smd: 1(-1.615,0) 2(1.615,0)
  silkscreen extent -2.43,-0.9 -2.43,0.9, body extent -1.43,-0.9 1.42,0.9, height 1.35
SchottkyDiode_RB751S40_2-PIN [mm]
  rect 0.4x0.4 smd: 1(-0.7,0) 2(0.7,0)
  silkscreen extent -1.27,-0.25 -1.27,0.25, body extent -0.65,-0.45 0.65,0.45, height 0.7
SchottkyDiode_SS2P2-M384A_2-PIN [mil]
  rect 105.12x100 smd: 1(-65.06,0)
  rect 30x50 smd: 2(27.5,0)
  silkscreen extent -140,-50 -140,50, body extent -100,-50 26,50, height 28
SD_Micro_Card_Conn_Wurth_693071010811 [mm]
  rect 0.8x1.5 smd: 1(-3.64,10.7) 2(-2.54,10.3) 3(-1.44,10.7) 4(-0.34,10.9) 5(0.76,10.7) 6(1.86,10.9) 7(2.96,10.7) 8(4.06,10.7)
  rect 1.4x1.9 smd: 9(-6.99,14.55) 9(4.76,13.55)
  rect 1.8x1.4 smd: 10(-2.45,0.4) 10(3.25,0.4)
  Keep-Out Layer region: 5.3,2.4 -7.3,2.4 -7.25,8.9 5.3,8.9
  silkscreen extent -8.15,-0.65 5.9,15.8, body extent -8.15,-0.73 5.75,15.7, height 1.38
SPDT_Power_L102021ML04Q_Thru-Hole [mm]
  round 2 hole 1.65: 1(-2.54,-4.6) 2(-2.54,0) 3(-2.54,4.6)
  silkscreen extent -9.36,-9.55 -1.31,9.55, body extent -10.73,-9.55 0.06,9.55, height 12.4
SPI_Flash_S25FL256SAGNFI00_WSON-8 [mm]
  rect 0.9x0.45 smd: 1(-3.75,1.905) 2(-3.75,0.635) 3(-3.75,-0.635) 4(-3.75,-1.905) 5(3.75,-1.905) 6(3.75,-0.635) 7(3.75,0.635) 8(3.75,1.905)
  rect 4.8x4.8 smd: 4(0,0)
  silkscreen extent -4.87,-3 4,3, body extent -4,-3 4,3, height 0.8
TCXO_KYOCERA_KT2520Y40000ECV28TBA_PCB-6PIN [mm]
  rect 0.5x0.825 smd: 1(-1.075,-0.738) 3(1.075,-0.738) 4(1.075,0.738) 6(-1.075,0.738)
  rect 0.5x0.43 smd: 2(0,-0.935) 5(0,0.935)
  silkscreen extent -2.16,-0.86 -1.91,-0.61, body extent -1.32,-1.08 1.33,1.07, height 0.9
TCXO_TXC_7Q-16.368MBG-T_4-PIN [mm]
  rect 0.78x0.87 smd: 1(-1.515,0.67) 2(-1.515,-0.67) 3(1.515,-0.67) 4(1.515,0.67)
  silkscreen extent -2.58,-1.35 1.7,1.35, body extent -1.68,-1.32 1.68,1.33, height 1.1